# Altium PCB KAY1024_ATX.PcbDoc (part 4 of 4) (continued)
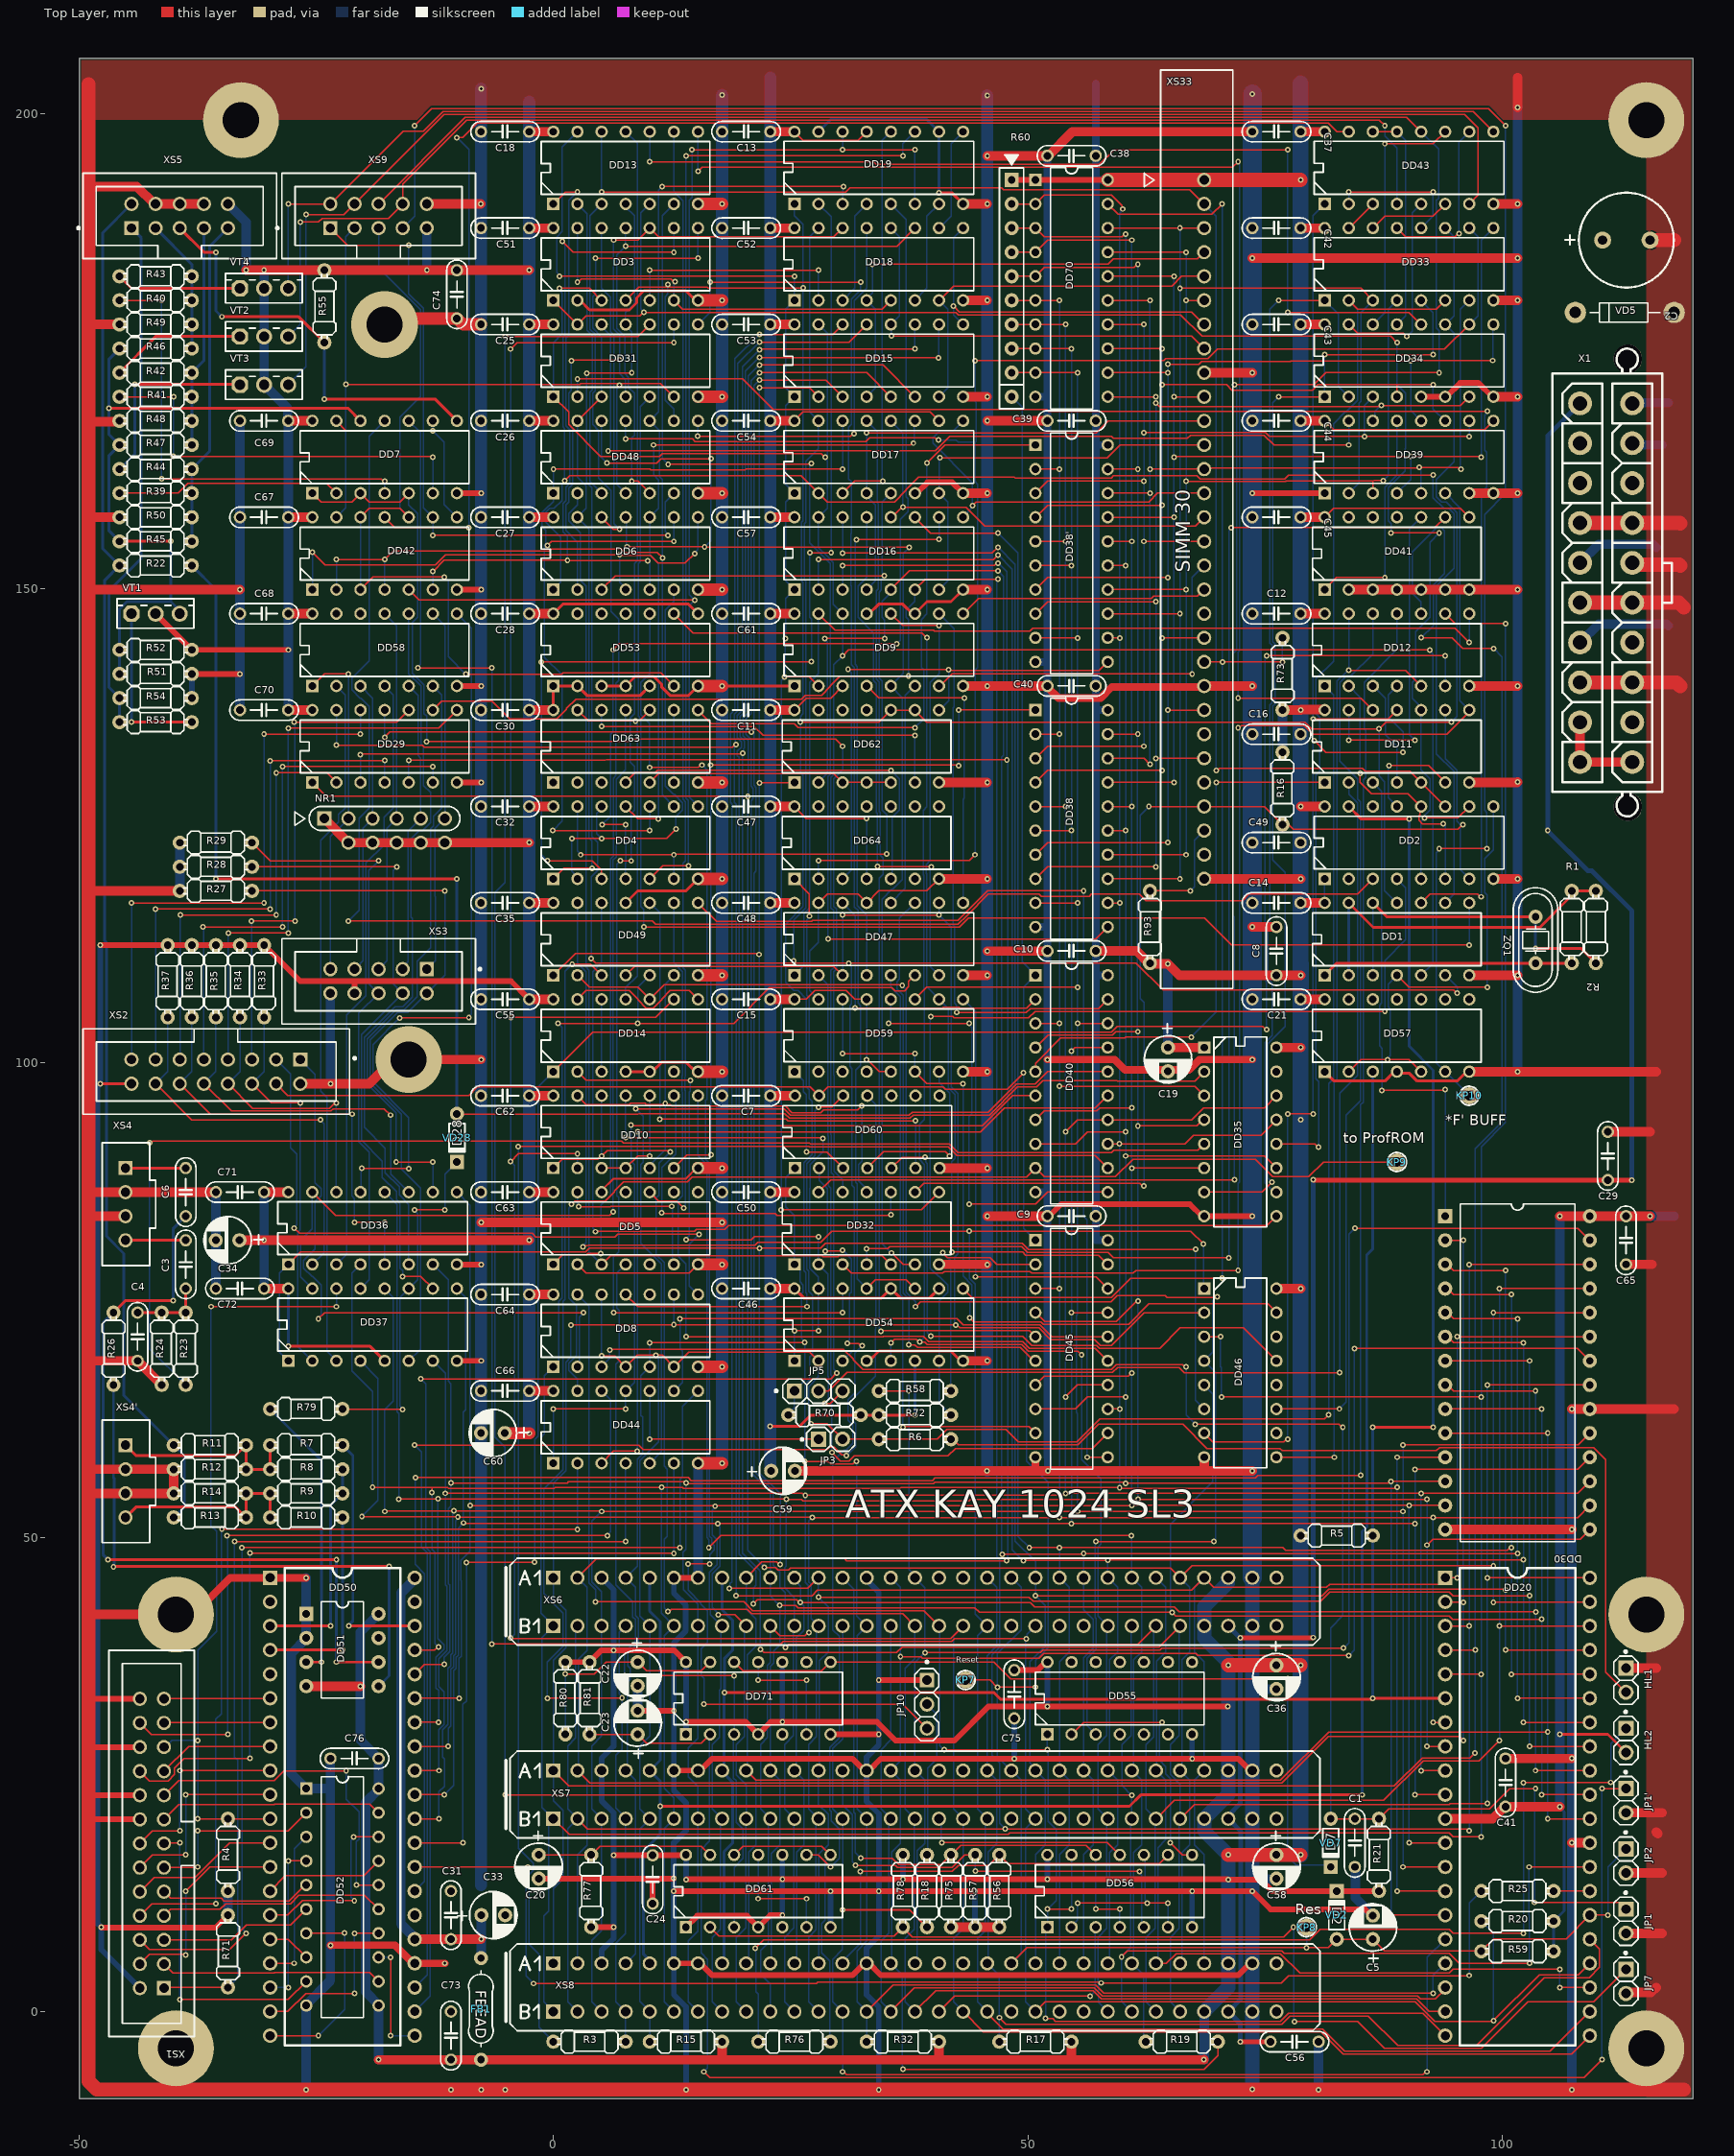
[diagram p0: Top Layer view]
## Nets (pads, with @x,y where several pads share a name; then routed paths per layer and width w, separated by ;. In a path a pad name is that pad's centre, name@x,y a point inside that pad or via, vN(x,y) a via of type N, cw(c..) or ccw(c..) an arc to the next point about the centre after c; other vN are vias at no path point) (continued)
  Bottom Layer w0.3: R7.2@-22.225,59.69 -21.125,58.59 -21.125,41.171 -21.575,40.721 v1(-21.575,40.64)
NetDD51_3: DD51.3 R79.1 | length 30.5
  Top Layer w0.3: DD51.3@-26.035,36.83 v1(-24.45,36.83)
  Bottom Layer w0.3: R79.1@-29.845,63.5 -24.45,58.105 v1(-24.45,36.83)
NetDD51_5: DD51.5 R26.2 | length 61.3
  Top Layer w0.3: v1(-46.354,46.882) -46.342,46.894 -17.332,46.894 v1(-17.319,46.907)
  Bottom Layer w0.3: v1(-46.354,46.882) -46.354,46.963 -46.276,47.041 -46.276,56.226 -46.354,56.304 R26.2@-46.354,66.043 ; DD51.5@-18.415,34.29 -17.315,35.39 -17.315,46.903 v1(-17.319,46.907)
NetDD52_2: DD52.2 XS1.11 | length 19.5
  Top Layer w0.15: XS1.11@-41.004,15.208 v1@-37.497,15.208 ; v1(-37.465,19.05) -27.94,19.05 DD52.2@-26.035,20.955
  Bottom Layer w0.15: v1(-37.465,15.24) v1(-37.465,19.05)
NetDD52_5: DD52.5 XS1.9 | length 16.1
  Top Layer w0.15: XS1.9@-41.036,12.636 -40.338,11.938 -34.978,11.938 -34.703,11.663 -27.845,11.663 -26.173,13.335 DD52.5@-26.035,13.335
NetDD52_6: DD52.6 XS1.5 | length 16.3
  Top Layer w0.15: XS1.5@-41.036,7.556 -33.897,7.556 -32.33,9.123 -27.707,9.123 DD52.6@-26.035,10.795
NetDD52_9: DD52.9 XS1.13 | length 32.2
  Top Layer w0.15: XS1.13@-41.004,17.748 v1@-39.402,17.748 ; v1(-39.37,1.27) -27.94,1.27 DD52.9@-26.035,3.175
  Bottom Layer w0.15: v1(-39.37,1.27) v1(-39.37,17.78)
NetDD52_12: DD52.12 XS1.3 | length 23.4
  Top Layer w0.15: XS1.3@-41.036,5.016 -40.063,4.043 -29.415,4.043 -29.358,4.1 -19.34,4.1 DD52.12@-18.415,3.175
NetDD52_15: DD52.15 XS1.7 | length 24.1
  Top Layer w0.15: XS1.7@-41.036,10.096 -40.344,10.788 -35.112,10.788 -34.537,11.363 -27.721,11.363 -26.812,12.272 -19.892,12.272 DD52.15@-18.415,10.795
NetDD52_16: DD52.16 XS1.17 | length 35.3
  Top Layer w0.15: XS1.17@-41.036,22.796 -39.469,24.363 -29.415,24.363 -28.42,25.359 v1(-21.83,25.359) ; v1(-20.765,13.335) DD52.16@-18.415,13.335
  Bottom Layer w0.15: v1(-21.83,25.359) -21.83,22.377 -20.49,21.037 -20.49,18.177 -20.765,17.902 v1(-20.765,13.335)
NetDD52_19: DD52.19 XS1.15 | length 23.7
  Top Layer w0.15: XS1.15@-41.036,20.256 -39.469,21.823 -29.406,21.823 -29.349,21.88 -19.34,21.88 DD52.19@-18.415,20.955
NetDD53_10: DD53.10 JP10.3 | length 150.5
  Top Layer w0.15: v1(10.128,131.122) 15.29,131.122 15.542,131.374 v1(15.664,131.374) ; v1(14.215,47.178) v1(16.476,47.178) ; v1(15.875,32.385) 36.83,32.385 JP10.3@39.37,29.845
  Bottom Layer w0.15: v1(10.128,131.122) 10.128,135.776 9.235,136.669 9.235,140.083 10.16,141.008 DD53.10@10.16,147.32 ; v1(14.215,47.178) 14.215,44.394 15.54,43.069 15.54,42.941 16.265,42.216 16.265,38.912 15.585,38.232 15.585,35.414 15.875,35.124 v1(15.875,32.385) ; v1(15.664,131.374) 16.165,130.873 16.165,96.137 16.055,96.027 16.055,89.817 16.465,89.407 16.465,50.093 16.69,49.868 16.69,49.408 16.965,49.133 16.965,48.657 16.476,48.168 v1(16.476,47.178)
NetDD55_2: DD55.2 DD56.8 | length 26.2
  Top Layer w0.15: DD55.2@54.61,29.21 55.88,30.48 v1(64.135,30.48) ; v1(65.015,17.78) 66.285,16.51 DD56.8@67.31,16.51
  Bottom Layer w0.15: v1(64.135,30.48) 64.135,30.358 63.845,30.068 63.845,26.505 64.525,25.825 64.525,25.041 65.015,24.551 v1(65.015,17.78)
NetDD56_2: DD56.2 DD56.6 DD56.10 | length 20.1
  Top Layer w0.15: v1(55.245,11.43) v1(62.588,11.43) v1(64.77,11.43)
  Bottom Layer w0.15: DD56.2@54.61,8.89 54.61,8.977 55.245,9.612 v1(55.245,11.43) ; DD56.10@62.23,16.51 62.328,16.412 62.328,11.812 62.588,11.552 v1(62.588,11.43) ; DD56.6@64.77,8.89 v1(64.77,11.43)
NetDD56_3: DD56.3 XS8.B17 | length 24.1
  Top Layer w0.15: XS8.B17@40.64,0 42.26,1.62 v1(56.58,1.62)
  Bottom Layer w0.15: v1(56.58,1.62) 57.095,2.134 57.095,8.835 DD56.3@57.15,8.89
NetDD56_4: DD56.4 DD56.12 R75.2 XS6.A13 | length 66.8
  Top Layer w0.15: v1(32.401,16.163) 35.728,16.163 36.405,15.485 40.885,15.485 R75.2@41.91,16.51 42.935,17.535 56.125,17.535 DD56.12@57.15,16.51 ; v1(57.15,10.795) v1(59.69,10.795)
  Bottom Layer w0.15: XS6.A13@30.48,45.72 31.661,44.539 31.661,21.013 31.805,20.869 31.805,16.759 v1(32.401,16.163) ; v1(57.15,10.795) DD56.12@57.15,16.51 ; DD56.4@59.69,8.89 v1(59.69,10.795)
NetDD56_5: DD56.5 R57.2 XS7.A13 | length 48.9
  Top Layer w0.15: v1(31.831,15.398) 36.068,15.398 36.281,15.185 42.035,15.185 43.36,16.51 R57.2@44.45,16.51 ; v1(44.458,14.815) 44.481,14.793 61.73,14.793 v1(61.753,14.77)
  Bottom Layer w0.15: XS7.A13@30.48,25.4 30.48,21.77 31.505,20.745 31.505,15.815 31.831,15.489 v1(31.831,15.398) ; R57.2@44.45,16.51 44.454,16.506 44.454,14.819 v1(44.458,14.815) ; v1(61.753,14.77) 61.753,14.648 62.013,14.388 62.013,9.107 DD56.5@62.23,8.89
NetDD56_9: DD56.9 R56.2 XS8.A13 | length 44.4
  Top Layer w0.15: v1(32.353,14.77) 42.044,14.77 42.664,15.39 45.87,15.39 R56.2@46.99,16.51 47.915,15.585 63.845,15.585 DD56.9@64.77,16.51
  Bottom Layer w0.15: XS8.A13@30.48,5.08 30.48,5.319 32.353,7.193 v1(32.353,14.77)
NetDD56_11: DD56.11 XS7.B17 | length 22
  Top Layer w0.15: v1(40.949,17.78) 41.004,17.835 58.365,17.835 DD56.11@59.69,16.51
  Bottom Layer w0.15: XS7.B17@40.64,20.32 40.862,20.098 40.862,17.866 v1(40.949,17.78)
NetDD58_1: DD58.1 NR1.2 XS3.9 | length 36.2
  Top Layer w0.15: DD58.1@-25.4,139.7 -24.13,140.97 v1(-21.592,140.97)
  Bottom Layer w0.15: XS3.9@-23.495,109.855 -23.495,123.825 NR1.2@-21.59,125.73 ; NR1.2@-21.591,125.731 v1(-21.592,140.97)
NetDD58_3: DD58.3 NR1.3 XS3.7 | length 31.2
  Bottom Layer w0.15: XS3.7@-20.955,109.855 -20.075,110.735 -20.075,124.705 NR1.3@-19.05,125.73 -19.05,138.43 DD58.3@-20.32,139.7
NetDD58_5: DD58.5 NR1.5 XS3.3 | length 31.2
  Bottom Layer w0.15: XS3.3@-15.875,109.855 -15.875,110.074 -15.295,110.654 -15.295,124.405 NR1.5@-13.97,125.73 -13.97,132.107 -14.237,132.374 -14.237,138.697 DD58.5@-15.24,139.7
NetDD58_9: DD58.9 NR1.6 XS3.1 | length 38.8
  Bottom Layer w0.15: XS3.1@-13.335,109.855 -12.448,110.742 -12.448,117.537 -12.455,117.544 -12.455,124.705 NR1.6@-11.43,125.73 -11.43,146.05 DD58.9@-12.7,147.32
NetDD58_11: DD58.11 NR1.4 XS3.5 | length 38.8
  Bottom Layer w0.15: XS3.5@-18.415,109.855 -17.535,110.735 -17.535,122.831 -17.535,124.705 NR1.4@-16.51,125.73 -16.51,146.05 DD58.11@-17.78,147.32
NetDD59_1: DD59.1 DD60.3 | length 13.6
  Top Layer w0.15: v1(26.697,90.598) 28.846,90.598 DD60.3@30.544,88.9
  Bottom Layer w0.15: DD59.1@25.4,99.06 26.37,98.09 26.37,96.922 26.67,96.622 26.67,90.624 v1(26.697,90.598)
NetDD59_7: DD59.7 DD60.4 | length 18.9
  Top Layer w0.15: DD60.4@33.084,88.9 34.793,90.609 41.315,90.609 v1(41.754,90.17)
  Bottom Layer w0.15: DD59.7@40.64,99.06 40.64,97.892 41.754,96.778 v1(41.754,90.17)
NetDD60_2: DD60.2 DD61.9 | length 84.4
  Top Layer w0.15: DD61.9@26.67,16.51 27.902,16.51 29.172,15.24 v1(29.21,15.24) ; v1(28.662,80.129) 28.717,80.185 30.425,80.185 v1(30.48,80.24) ; v1(30.961,70.425) 32.15,70.425 32.407,70.168 v1(32.529,70.168)
  Bottom Layer w0.15: DD60.2@28.004,88.9 28.004,87.604 28.865,86.743 28.865,80.454 28.662,80.251 v1(28.662,80.129) ; v1(29.21,15.24) 29.248,15.24 30.135,16.127 30.135,19.215 29.265,20.085 29.265,21.111 29.155,21.221 29.155,27.847 30.135,28.827 30.135,39.535 29.455,40.215 29.455,57.965 30.649,59.159 30.834,59.159 31.555,59.88 31.555,61.821 31.06,62.316 31.06,64.5 31.751,65.192 31.751,69.39 v1(32.529,70.168) ; v1(30.48,80.24) 31.405,79.315 31.405,79.123 31.405,75.817 31.226,75.638 31.226,70.812 30.961,70.547 v1(30.961,70.425)
NetDD61_2: DD61.2 JP7.1 R78.1 | length 112.6
  Top Layer w0.15: DD61.2@16.51,8.89 17.435,7.965 35.905,7.965 R78.1@36.83,8.89 37.855,7.865 76.95,7.865 v1(77.975,8.89) ; v1(78.105,-1.05) 84.745,-1.05 87.572,-3.877 97.795,-3.877 102.709,1.037 109.622,1.037 JP7.1@113.03,4.445
  Bottom Layer w0.15: v1(77.975,8.89) 78.04,8.825 78.04,-0.985 v1(78.105,-1.05)
NetDD61_6: DD61.6 DD61.11 | length 12.7
  Top Layer w0.15: v1(21.59,11.9) v1(26.67,11.9)
  Bottom Layer w0.15: v1(21.59,11.9) DD61.11@21.59,16.51 ; DD61.6@26.67,8.89 v1(26.67,11.9)
NetDD61_8: DD61.8 DD61.12 R76.1 | length 31.4
  Top Layer w0.15: DD61.12@19.05,16.51 19.975,17.435 28.285,17.435 DD61.8@29.21,16.51
  Bottom Layer w0.15: R76.1@29.21,-3.175 29.155,-3.12 29.155,5.315 28.285,6.185 28.285,9.273 28.635,9.623 28.635,15.848 29.21,16.423 DD61.8@29.21,16.51
NetDD62_3: DD62.3 DD62.4 DD62.5 DD63.5 | length 26.2
  Top Layer w0.15: DD63.5@10.16,129.54 11.085,130.465 29.555,130.465 DD62.3@30.48,129.54 DD62.4@33.02,129.54 DD62.5@35.56,129.54
NetDD62_6: DD62.6 DD63.12 | length 40.1
  Top Layer w0.15: v1(5.097,135.434) 21.168,135.434 22.098,134.504 v1(38.094,134.504)
  Bottom Layer w0.15: DD63.12@5.08,137.16 5.089,137.151 5.089,135.442 v1(5.097,135.434) ; v1(38.094,134.504) 38.097,134.501 38.097,129.543 DD62.6@38.1,129.54
NetDD63_4: DD63.4 DD64.5 | length 40.7
  Top Layer w0.15: DD63.4@7.62,129.54 8.627,130.547 10.743,130.547 10.995,130.799 35.549,130.799 v1(35.56,130.81)
  Bottom Layer w0.15: DD64.5@35.56,119.38 35.713,119.533 35.713,125.845 36.485,126.617 36.485,129.923 35.598,130.81 v1(35.56,130.81)
NetDD63_6: DD63.6 DD63.9 | length 7.6
  Bottom Layer w0.15: DD63.6@12.7,129.54 DD63.9@12.7,137.16
NetDD71_6: DD71.6 DD71.11 | length 12.7
  Top Layer w0.15: v1(21.59,34.925) v1(26.67,34.925)
  Bottom Layer w0.15: v1(21.59,34.925) DD71.11@21.59,36.83 ; DD71.6@26.67,29.21 v1(26.67,34.925)
NetDD71_8: DD71.8 DD71.12 VD7.2 | length 83.6
  Top Layer w0.15: DD71.12@19.05,36.83 19.975,35.905 28.285,35.905 DD71.8@29.21,36.83 46.414,36.83 48.19,35.054 77.381,35.054 v1(77.39,35.063)
  Bottom Layer w0.15: v1(77.39,35.063) 77.39,16.34 78.295,15.435 81.72,15.435 VD7.2@81.915,15.24
NetHL1_2: HL1.2 R6.1 | length 97.3
  Top Layer w0.15: R6.1@41.91,60.325 42.109,60.325 42.699,59.735 55.29,59.735 57.44,61.885 66.347,61.885 68.887,59.345 76.583,59.345 76.813,59.115 93.064,59.115 93.394,59.445 109.645,59.445 110.899,58.191 110.899,35.786 HL1.2@113.03,33.655
NetHL2_1: HL2.1 R76.2 | length 123.4
  Top Layer w0.15: v1(21.26,6.66) 22.165,7.565 79.712,7.565 80.804,8.657 94.41,8.657 94.812,8.255 v1(102.235,8.255) ; v1(102.235,24.13) 102.241,24.136 111.419,24.136 v1(111.425,24.142)
  Bottom Layer w0.15: v1(21.26,6.66) 21.345,6.575 21.345,2.073 21.59,1.828 R76.2@21.59,-3.175 ; v1(102.235,8.255) v1(102.235,24.13) ; v1(111.425,24.142) 111.425,28.24 HL2.1@113.03,29.845
NetJP10_2: JP10.2 R18.1 | length 16.7
  Bottom Layer w0.15: R18.1@39.37,16.51 39.425,16.565 39.425,25.635 40.42,26.63 40.42,31.335 JP10.2@39.37,32.385
NetR42_2: R42.2 VT2.E | length 14.3
  Top Layer w0.3: R42.2@-45.72,172.72 -41.91,176.53 VT2.E@-33.02,176.53
NetR43_2: R43.2 VT4.E | length 13.2
  Top Layer w0.3: R43.2@-45.72,182.88 -44.45,181.61 VT4.E@-33.02,181.61
NetR44_2: R44.2 VT3.E | length 20.7
  Top Layer w0.3: v1(-44.11,171.516) -44.076,171.483 -33.053,171.483 VT3.E@-33.02,171.45
  Bottom Layer w0.3: R44.2@-45.72,162.56 -44.11,164.17 v1(-44.11,171.516)
NetR53_1: R53.1 VT1.E | length 17.8
  Top Layer w0.3: v1(-44.47,135.89) R53.1@-38.1,135.89
  Bottom Layer w0.3: v1(-44.47,135.89) -44.46,135.9 -44.46,147.31 VT1.E@-44.45,147.32
NetR53_2: R53.2 R54.2 XS5.1 | length 54.4
  Bottom Layer w0.3: R53.2@-45.72,135.89 R54.2@-45.72,138.43 -46.82,139.53 -46.82,149.744 -43.426,153.139 -43.426,186.936 XS5.1@-44.45,187.96
NetR93_1: R93.1 XS33.28 | length 11.2
  Top Layer w0.15: R93.1@62.865,118.11 v1(67.139,118.11)
  Bottom Layer w0.15: v1(67.139,118.11) 67.555,118.526 67.555,123.435 XS33.28@68.58,124.46
OE/#FF: DD38'.1 DD63.8 | length 64.5
  Top Layer w0.15: DD63.8@15.24,137.16 16.666,135.734 25.378,135.734 25.808,135.304 v1(38.1,135.304) ; v1(39.37,163.195) 41.275,165.1 DD38'.1@50.8,165.1
  Bottom Layer w0.15: v1(38.1,135.304) 39.025,136.229 39.025,141.414 38.795,141.644 38.795,146.707 39.37,147.282 v1(39.37,163.195)
Q2/: DD44.2 XS1.8 | length 92.8
  Top Layer w0.15: XS1.8@-43.576,10.096 -42.309,11.363 v1(-35.56,11.363) ; v1(-34.925,50.874) -34.888,50.837 2.503,50.837 v1(2.54,50.8)
  Bottom Layer w0.15: v1(-35.56,11.363) -35.56,30.801 -34.97,31.39 -34.97,50.828 v1(-34.925,50.874) ; v1(2.54,50.8) DD44.2@2.54,57.785
Q5/: DD44.4 R4.1 XS1.1 | length 103.8
  Top Layer w0.15: XS1.1@-41.036,2.476 -40.972,2.54 R4.1@-34.29,2.54 ; v1(-33.595,49.53) v1(7.62,49.53)
  Bottom Layer w0.15: R4.1@-34.29,2.54 -33.265,3.565 -33.265,26.504 -33.595,26.834 v1(-33.595,49.53) ; v1(7.62,49.53) DD44.4@7.62,57.785
Q6: DD44.9 DD45.16 | length 54
  Top Layer w0.15: v1(13.335,73.025) 42.545,73.025 43.18,72.39 51.262,72.39 52.532,71.12 DD45.16@58.42,71.12
  Bottom Layer w0.15: DD44.9@12.7,65.405 13.625,66.33 13.625,69.614 13.335,69.904 v1(13.335,73.025)
Q6/: DD44.6 XS1.20 | length 89.3
  Top Layer w0.15: XS1.20@-43.576,25.336 -42.551,24.311 -40.611,24.311 -39.945,24.977 -39.945,25.638 -38.913,26.67 v1(-31.982,26.67) ; v1(-31.982,48.31) -31.956,48.285 12.675,48.285 v1(12.7,48.26)
  Bottom Layer w0.15: v1(-31.982,26.67) v1(-31.982,48.31) ; v1(12.7,48.26) DD44.6@12.7,57.785
Q7/: DD44.8 XS1.6 | length 116.6
  Top Layer w0.15: XS1.6@-43.576,7.556 -42.551,6.531 -34.109,6.531 v1(-32.385,8.255) ; v1(-32.81,48.895) v1(13.335,48.895)
  Bottom Layer w0.15: v1(-32.81,48.895) -32.81,8.745 -32.385,8.32 v1(-32.385,8.255) ; v1(13.335,48.895) 13.335,56.116 13.625,56.406 13.625,63.79 DD44.8@15.24,65.405
Q8/: DD44.12 XS1.24 | length 86.6
  Top Layer w0.15: XS1.24@-43.576,30.416 -42.37,29.21 v1(-34.29,29.21) ; v1(-34.395,50.165) v1(5.715,50.165)
  Bottom Layer w0.15: v1(-34.395,50.165) -34.343,50.112 -34.343,29.263 v1(-34.29,29.21) ; DD44.12@5.08,65.405 6.005,64.48 6.005,50.577 5.715,50.287 v1(5.715,50.165)
R: DD36.3 DD58.4 | length 63.8
  Bottom Layer w0.15: DD36.3@-22.86,78.74 -21.792,79.808 -21.792,105.028 -19.74,107.08 -19.74,121.05 -17.835,122.955 -17.835,125.855 -16.855,126.835 -16.855,138.775 DD58.4@-17.78,139.7
RAS: DD9.2 DD13.13 DD15.1 DD16.1 DD17.1 DD18.1 DD32.8 | length 164
  Top Layer w0.15: v1(0.635,182.88) v1(25.4,182.88) ; v1(24.01,84.478) 24.063,84.531 38.811,84.531 DD32.8@40.64,86.36 ; v1(24.357,140.659) 26.981,140.659 DD9.2@27.94,139.7
  Bottom Layer w0.15: v1(0.635,182.88) 0.635,183.002 0.353,183.284 0.353,187.005 0.925,187.577 0.925,196.505 DD13.13@2.54,198.12 ; v1(24.01,84.478) 24.01,140.264 24.357,140.611 v1(24.357,140.659) ; v1@24.309,140.708 24.409,140.808 24.409,144.597 24.278,144.728 v1@24.278,144.746 ; v1(24.46,144.72) 24.434,144.746 v1@24.278,144.746 ; v1(25.4,182.88) DD18.1@25.4,180.34 24.475,179.415 24.475,171.105 DD15.1@25.4,170.18 24.475,169.255 24.475,160.945 DD17.1@25.4,160.02 24.475,159.095 24.475,150.785 DD16.1@25.4,149.86 24.46,148.92 24.46,144.928 v1@24.278,144.746
RAS/: DD2.7 DD11.9 DD32.9 R16.1 XS33.27 | length 117.9
  Top Layer w0.15: DD32.9@38.1,86.36 39.025,87.285 61.818,87.285 62.108,86.995 v1(62.23,86.995) ; v1(62.757,127) XS33.27@68.58,127 74.93,127 R16.1@76.835,125.095 ; R16.1@77.47,125.095 77.968,124.597 95.332,124.597 v1(95.83,125.095)
  Bottom Layer w0.15: v1(62.23,86.995) 62.23,106.357 61.84,106.747 61.84,126.083 v1(62.757,127) ; DD11.9@93.98,137.16 93.98,132.056 95.205,130.831 95.205,125.445 v1@95.555,125.095 ; v1(95.83,125.095) v1@95.555,125.095 ; DD2.7@96.52,119.38 95.555,120.345 v1@95.555,125.095
RH: DD3.12 DD6.12 | length 35
  Top Layer w0.15: DD6.12@5.08,157.48 6.35,156.21 v1(6.985,156.21)
  Bottom Layer w0.15: DD3.12@5.08,187.96 5.08,181.648 6.05,180.678 6.05,177.024 6.392,176.683 6.392,156.803 v1(6.985,156.21)
RIGHT: R7.1 R8.1 R11.2 R12.2 XS4'.1 | length 21.2
  Top Layer w0.3: XS4'.1@-45.085,59.69 -43.985,58.59 -33.485,58.59 R11.2@-32.385,59.69 R12.2@-32.385,57.15 R8.1@-29.845,57.15 R7.1@-29.845,59.69
ROMS: DD11.1 DD40.5 | length 57.8
  Top Layer w0.15: DD40.5@50.8,99.06 50.8,99.944 53.471,102.615 60.239,102.615 60.315,102.691 v1(67.225,102.691) ; v1(69.85,129.54) DD11.1@81.28,129.54
  Bottom Layer w0.15: v1(67.225,102.691) 69.85,105.316 v1(69.85,129.54)
RV: DD4.2 DD4.12 DD6.6 | length 46.4
  Top Layer w0.15: v1(1.94,123.638) v1(5.08,123.638) 11.943,123.638 v1(12.92,124.614)
  Bottom Layer w0.15: v1(1.94,123.638) 1.94,120.19 2.54,119.59 DD4.2@2.54,119.38 ; v1(5.08,123.638) 4.565,124.153 4.565,126.278 5.08,126.793 DD4.12@5.08,127 ; DD6.6@12.7,149.86 12.7,148.628 11.775,147.703 11.775,129.157 12.662,128.27 12.738,128.27 13.625,127.383 13.625,126.617 12.92,125.911 v1(12.92,124.614)
SCR: DD17.13 DD45.5 | length 113.6
  Top Layer w0.15: v1(34.52,71.695) 34.573,71.748 42.294,71.748 42.297,71.745 50.175,71.745 DD45.5@50.8,71.12
  Bottom Layer w0.15: DD17.13@33.02,167.64 34.15,166.51 34.15,159.003 34.245,158.908 34.245,149.923 34.035,149.713 34.035,140.417 34.335,140.117 34.335,126.493 34.456,126.372 34.456,121.858 34.731,121.583 34.731,119.859 34.335,119.463 34.335,72.002 34.52,71.817 v1(34.52,71.695)
SCR/: DD31.12 DD39.15 | length 95.7
  Top Layer w0.15: v1(5.775,164.465) 5.826,164.516 40.267,164.516 41.776,166.025 58.803,166.025 59.033,165.795 66.807,165.795 67.137,166.125 74.905,166.125 75.93,165.1 v1(83.82,165.1)
  Bottom Layer w0.15: DD31.12@5.08,177.8 5.08,177.57 6.005,176.645 6.005,164.817 5.775,164.587 v1(5.775,164.465) ; v1(83.82,165.1) DD39.15@83.82,167.64
SSI: DD42.9 DD48.6 XS9.1 | length 70
  Top Layer w0.15: XS9.1@-23.495,187.96 -21.675,186.14 v1(-15.24,186.14) ; v1(-12.7,155.575) v1(12.065,155.575)
  Bottom Layer w0.15: v1(-15.24,186.14) -15.24,181.023 -13.705,179.488 -13.705,158.485 DD42.9@-12.7,157.48 ; v1(-12.7,155.575) DD42.9@-12.7,157.144 ; v1(12.065,155.575) 12.065,155.697 11.775,155.987 11.775,159.095 DD48.6@12.7,160.02
SYNC: DD7.8 R55.2 XS5.5 | length 44.8
  Top Layer w0.3: XS5.5@-39.37,187.96 -36.83,185.42 v1(-35.56,185.42) ; v1(-34.925,178.604) -26.839,178.604 R55.2@-24.13,175.895 ; v1(-24.13,169.908) -12.428,169.908 DD7.8@-10.16,167.64
  Bottom Layer w0.3: v1(-35.56,185.42) -35.56,179.239 v1(-34.925,178.604) ; v1(-24.13,169.908) R55.2@-24.13,175.895
TOUT: C3.1 XS4.4 | length 6.3
  Top Layer w0.3: XS4.4@-45.085,81.28 C3.1@-38.738,81.28
U: DD36.13 DD58.8 | length 76.8
  Top Layer w0.15: v1(-20.203,88.9) -20.174,88.871 -15.269,88.871 v1(-15.24,88.841) ; v1(-16.2,104.709) -16.167,104.742 -8.923,104.742 v1(-8.89,104.775)
  Bottom Layer w0.15: DD36.13@-20.32,86.36 -20.261,86.419 -20.261,88.841 v1(-20.203,88.9) ; v1(-16.2,104.709) -19.015,101.894 -19.015,98.002 -15.24,94.227 v1(-15.24,88.841) ; DD58.8@-10.16,147.32 -8.652,145.812 -8.652,105.135 -8.89,104.897 v1(-8.89,104.775)
V0: DD4.3 DD19.2 | length 107.9
  Top Layer w0.15: v1(-1.27,142.24) -1.26,142.25 27.19,142.25 v1(27.2,142.259) ; v1(-0.635,121.285) 4.095,121.285 5.08,120.3 DD4.3@5.08,119.38 ; v1(27.048,153.742) v1(29.282,153.742)
  Bottom Layer w0.15: v1(-1.27,142.24) -1.27,121.92 v1(-0.635,121.285) ; v1(27.048,153.742) 27.015,153.709 27.015,146.937 27.2,146.752 v1(27.2,142.259) ; DD19.2@27.94,190.5 29.282,189.158 v1(29.282,153.742)
V1: DD4.4 DD19.5 | length 104.9
  Top Layer w0.15: v1(5.14,125.095) v1(7.62,125.095) ; v1(6.29,143.51) 6.925,144.145 v1(36.195,144.145)
  Bottom Layer w0.15: v1(5.14,125.095) 6.017,125.972 6.017,134.605 6.29,134.878 v1(6.29,143.51) ; DD4.4@7.62,119.38 7.62,121.033 7.627,121.041 7.627,122.96 7.62,122.968 v1(7.62,125.095) ; DD19.5@35.56,190.5 37.175,188.885 37.175,159.637 37.398,159.414 37.398,158.086 36.575,157.263 36.575,144.525 v1(36.195,144.145)
V2: DD4.5 DD19.11 | length 105.5
  Top Layer w0.15: DD4.5@10.16,119.38 11.532,120.752 v1(14.23,120.752) ; v1(13.97,195.58) v1(36.83,195.58)
  Bottom Layer w0.15: v1(13.97,195.58) 13.97,127.887 14.23,127.627 v1(14.23,120.752) ; v1(36.83,195.58) 36.83,196.85 DD19.11@38.1,198.12
V3: DD4.6 DD4.13 DD6.3 DD17.5 | length 109.5
  Top Layer w0.15: v1(2.89,121.92) v1(12.7,121.92) 12.734,121.954 35.103,121.954 v1(35.138,121.989) ; DD6.3@5.08,149.86 6.522,151.302 v1(34.866,151.302)
  Bottom Layer w0.15: DD4.13@2.54,127 2.54,122.312 2.89,121.962 v1(2.89,121.92) ; DD4.6@12.7,119.38 v1(12.7,121.92) ; v1(35.138,121.989) 35.138,126.114 34.635,126.617 34.635,140.242 34.335,140.542 34.335,149.589 34.557,149.811 34.557,150.872 34.866,151.18 v1(34.866,151.302) 34.866,151.424 34.635,151.654 34.635,159.095 DD17.5@35.56,160.02
V4: DD4.11 DD6.10 DD17.11 | length 74.2
  Top Layer w0.15: DD4.11@7.62,127 8.917,125.703 v1(11.05,125.703) ; v1(10.555,165.1) 37.613,165.1 37.813,165.3 v1(37.934,165.3)
  Bottom Layer w0.15: v1(10.555,165.1) 10.555,161.957 11.085,161.427 11.085,158.405 DD6.10@10.16,157.48 10.16,153.526 11.085,152.601 11.085,125.738 v1(11.05,125.703) ; v1(37.934,165.3) 38.017,165.383 38.017,167.557 DD17.11@38.1,167.64
V5: DD4.10 DD6.9 DD17.14 DD48.1 | length 104.7
  Top Layer w0.15: v1(-0.635,154.517) -0.196,154.956 12.684,154.956 v1(12.7,154.94) ; v1(-0.06,124.46) v1(10.16,124.46) ; v1(0.01,162.56) 10.186,162.56 10.255,162.491 20.229,162.491 20.298,162.56 v1(30.48,162.56)
  Bottom Layer w0.15: v1(-0.635,154.517) v1@-0.792,154.674 ; v1(-0.06,124.46) 0.925,125.445 0.925,140.858 -0.925,142.708 -0.925,154.541 v1@-0.792,154.674 ; v1(0.01,162.56) 0.01,160.03 DD48.1@0,160.02 0,159.145 -0.44,158.705 -0.507,158.705 -1.225,157.987 -1.225,156.547 -0.792,156.114 v1@-0.792,154.674 ; v1(10.16,124.46) DD4.10@10.16,127 ; v1(12.7,154.94) DD6.9@12.7,157.48 ; v1(30.48,162.56) DD17.14@30.48,167.64
V6: DD4.9 DD19.3 DD42.2 DD42.4 DD48.10 | length 129.5
  Top Layer w0.15: v1(-22.86,153.035) v1(-17.78,153.035) -16.873,153.942 -0.397,153.942 -0.222,154.117 7.227,154.117 7.557,153.786 10.946,153.786 v1(11.518,153.214) ; v1(11.444,192.345) v1(30.562,192.345)
  Bottom Layer w0.15: DD42.2@-22.86,149.86 v1(-22.86,153.035) ; DD42.4@-17.78,149.86 v1(-17.78,153.035) ; v1(11.444,192.345) 11.444,192.321 11.085,191.962 11.085,168.565 DD48.10@10.16,167.64 11.175,166.625 11.175,161.761 11.475,161.461 11.475,153.257 v1(11.518,153.214) 11.475,153.171 11.475,128.225 DD4.9@12.7,127 ; DD19.3@30.48,190.5 30.521,190.541 30.521,192.304 v1(30.562,192.345)
V6+H2: DD18.13 DD48.8 | length 40.5
  Top Layer w0.15: v1(15.189,166.02) 31.323,166.02 31.575,166.272 v1(31.697,166.272)
  Bottom Layer w0.15: v1(15.189,166.02) 15.215,166.046 15.215,167.615 DD48.8@15.24,167.64 ; v1(31.697,166.272) 31.705,166.28 31.705,180.333 33.02,181.648 DD18.13@33.02,187.96
V7: DD4.8 DD19.6 DD19.14 DD42.5 | length 132
  Top Layer w0.15: DD42.5@-15.24,149.86 -14.131,148.751 v1(14.902,148.751) ; v1(14.605,196.215) v1(30.48,196.215) v1(38.1,196.215)
  Bottom Layer w0.15: v1(14.605,196.215) 14.605,191.173 14.315,190.883 14.315,149.338 v1@14.769,148.884 ; v1(14.902,148.751) v1@14.769,148.884 ; DD4.8@15.24,127 15.24,127.041 14.315,127.966 14.315,148.164 14.769,148.618 v1@14.769,148.884 ; v1(30.48,196.215) DD19.14@30.48,198.12 ; DD19.6@38.1,190.5 v1(38.1,196.215)
W: DD31.8 DD54.11 DD54.13 | length 134.5
  Top Layer w0.15: v1(16.51,182.245) v1(32.385,182.245) ; DD54.13@33.02,76.2 33.945,77.125 37.175,77.125 DD54.11@38.1,76.2
  Bottom Layer w0.15: DD31.8@15.24,177.8 16.51,179.07 v1(16.51,182.245) ; v1(32.385,182.245) 32.385,181.437 31.405,180.457 31.405,167.257 31.122,166.974 31.122,161.524 31.405,161.241 31.405,155.791 31.355,155.741 31.355,150.293 31.405,150.243 31.405,141.936 31.705,141.636 31.705,116.423 32.095,116.033 32.095,106.297 32.385,106.007 32.385,99.733 31.859,99.207 31.859,87.408 32.005,87.262 32.005,77.215 DD54.13@33.02,76.2
WE/: DD54.9 DD70.19 R73.1 XS33.21 | length 165.5
  Top Layer w0.15: DD54.9@43.18,76.2 44.105,75.275 58.803,75.275 60.819,77.291 v1(70.485,77.291) ; DD70.19@58.42,190.5 59.521,189.399 69.384,189.399 v1(70.485,190.5) ; XS33.21@68.58,142.24 68.584,142.236 70.501,142.236 v1(70.504,142.233) 70.508,142.236 76.831,142.236 v1(76.835,142.24)
  Bottom Layer w0.15: v1(70.485,77.291) 70.485,109.752 70.504,109.772 v1(70.504,142.233) 70.495,142.242 70.495,190.49 v1(70.485,190.5) ; v1(76.835,142.24) R73.1@76.835,144.78
WRBUF: DD13.6 DD38.11 | length 124.5
  Top Layer w0.15: v1(12.093,163.066) 27.129,163.066 v1(27.2,163.137) ; v1(28.951,113.03) 57.15,113.03 DD38.11@58.42,114.3
  Bottom Layer w0.15: v1(12.093,163.066) 11.475,163.684 11.475,189.275 DD13.6@12.7,190.5 ; v1(27.2,163.137) 27.2,163.016 27.015,162.831 27.015,154.773 28.515,153.273 ; 28.515,153.272 29.185,152.602 29.185,133.035 29.165,133.015 29.165,130.382 28.951,130.168 v1(28.951,113.03)
pads on no net: DD2.2 DD2.14 DD5.5 DD5.8 DD5.9 DD5.11 DD8.10 DD14.6 DD35.15 DD41.11 DD41.12 DD41.13 DD46.10 DD46.12 DD46.14 DD50.2 DD50.5 DD50.26 DD50.39 DD51.7 DD53.11 DD53.12 DD53.13 DD55.4 DD55.5 DD55.6 DD55.8 DD55.9 DD55.10 DD55.11 DD55.12 DD55.13 DD57.8 DD57.9 DD57.10 DD57.11 DD57.12 DD57.13 DD58.12 DD58.13 DD59.2 DD59.3 DD59.4 DD60.8 DD60.9 DD60.10 DD61.5 DD62.11 DD62.12 DD62.13 DD63.1 DD63.2 DD63.3 DD64.6 DD64.8 DD64.9 DD64.10 DD64.11 DD64.12 DD64.13 DD71.5 DD71.9 X1.8 X1.9 X1.12 X1.14 X1.18 X1.21 X1.22 XS6.A17 XS6.A18 XS6.A31 XS6.B20 XS6.B22 XS6.B23 XS6.B31 XS7.A17 XS7.A18 XS7.A31 XS7.B20 XS7.B22 XS7.B23 XS7.B31 XS8.A17 XS8.A18 XS8.A31 XS8.B20 XS8.B22 XS8.B23 XS8.B31 XS33.19 XS33.24 XS33.26 XS33.29

## Polygon pours and split planes (outlines as drawn)
GND on Bottom Layer "GND_L02_P008" (solid, pour order 8): -12.065,13.97 -3.81,13.97 -3.81,-8.89 -12.065,-8.89
+5V on Bottom Layer "Bottom Layer-+5V" (solid, pour order 7): -49.926,205.836 -49.722,205.632 -49.722,199.39 106.045,199.39 106.045,177.165 115.174,177.165 115.174,82.55 120.074,82.55 120.074,205.836
GND on Top Layer "Top Layer-GND" (solid, remove dead copper, pour order 4): 115.174,-9.164 120.074,-9.164 120.074,205.836 116.84,205.836 116.84,205.632 -49.926,205.836 -49.926,199.39 115.174,199.39

## Silkscreen, mask and mechanical layers (free items; w line width, h text height)
Top Overlay:
  text "ATX KAY 1024 SL3" at 30.761,51.103 h5
Mechanical 1:
  the board outline again, w0.15
Top Value:
  lines w0.15: 120.074,-9.164 120.074,205.836
Top Assembly:
  lines w0.15: -50.926,93.836 -50.926,193.836 49.074,193.836 ; -6.81,5.08 0,5.08 ; -6.81,25.4 0,25.4 ; -6.81,45.72 0,45.72 0,0 ; 4.954,96.376 67.954,96.376

## Text inside footprints (layer, text, board x,y; h text height)
XS33: Top Overlay "SIMM 30" at 67.08,151.662 h1.5 r90